# KiCad board RP2040-Breadstick.kicad_pcb (continued)
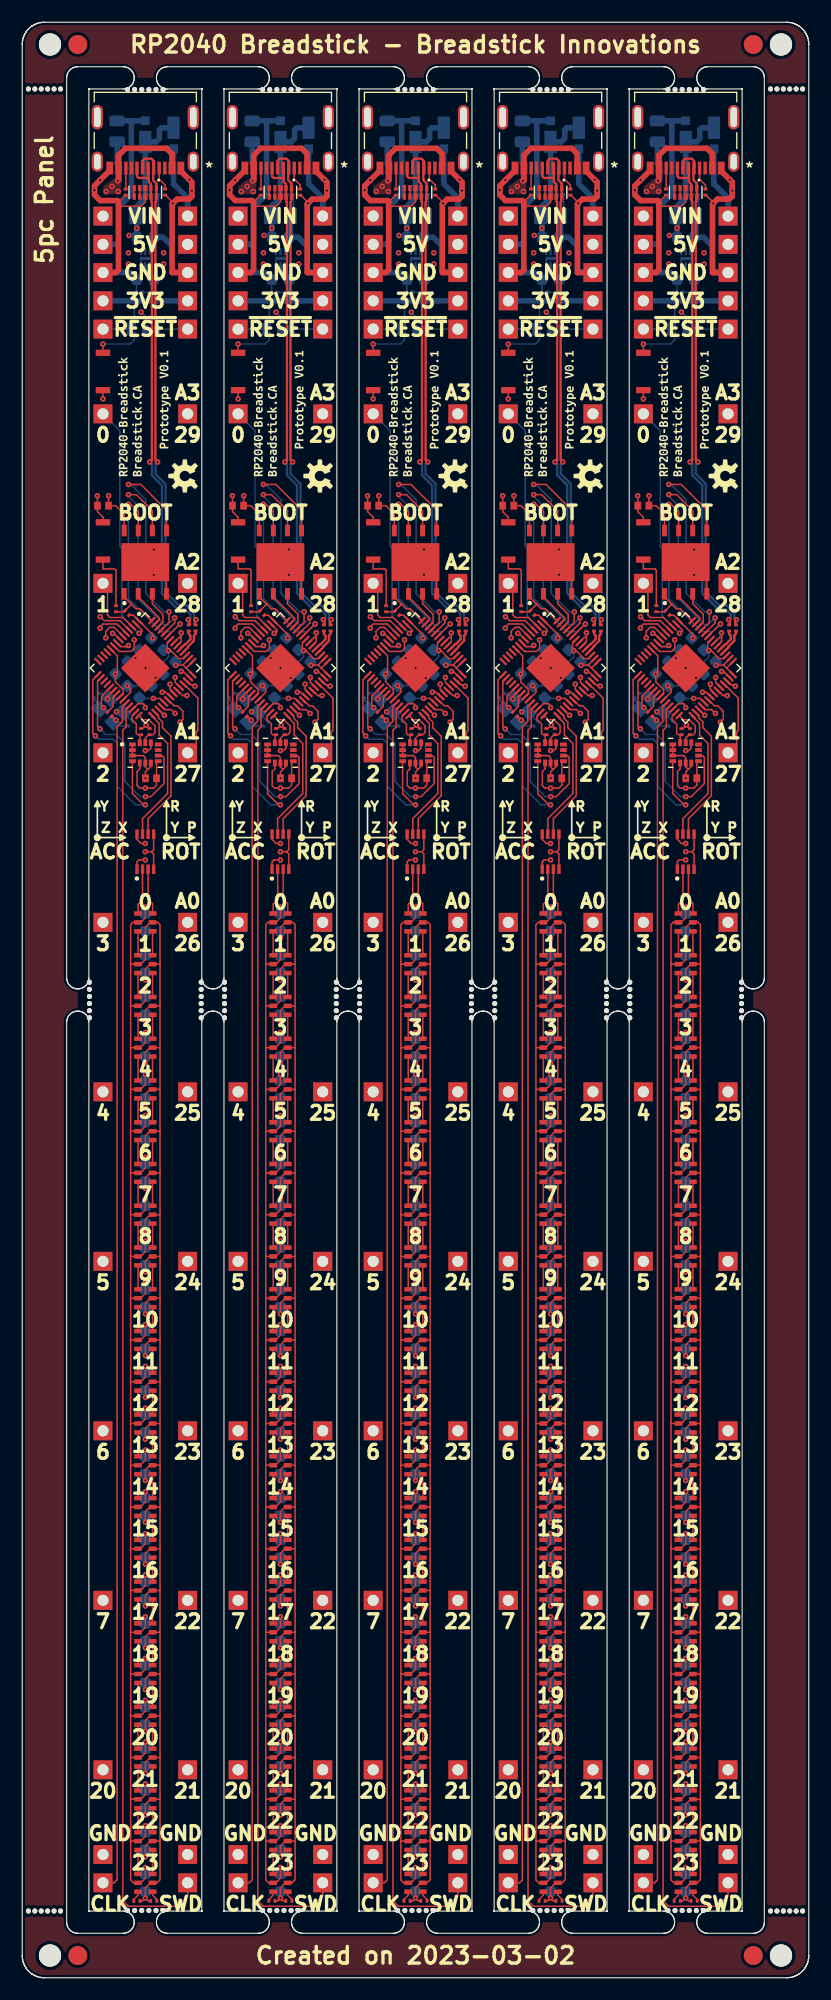
[diagram p0: board, top side]
## Library data of the parts (continued)
J201 J201#2-J201#5 J202 J202#2-J202#5 J203 J203#2-J203#5 J204 J204#2-J204#5 J205 J205#2-J205#5 J206 J206#2-J206#5 J207 J207#2-J207#5 J208 J208#2-J208#5 J209 J209#2-J209#5 J210 J210#2-J210#5 J211 J211#2-J211#5 J212 J212#2-J212#5 J213 J213#2-J213#5 J214 J214#2-J214#5 J215 J215#2-J215#5 J217 J217#2-J217#5 J218 J218#2-J218#5 J219 J219#2-J219#5 J220 J220#2-J220#5 J222 J222#2-J222#5 J223 J223#2-J223#5 J224 J224#2-J224#5 J501 J501#2-J501#5 J502 J502#2-J502#5 J503 J503#2-J503#5 J504 J504#2-J504#5 J505 J505#2-J505#5 J506 J506#2-J506#5 J507 J507#2-J507#5 J508 J508#2-J508#5 J509 J509#2-J509#5 J510 J510#2-J510#5 = -: JLCPCB P/N: C492400
J221 J221#2-J221#5 = -: Digikey: 900-2171790001DKR-ND; Field5: *; Field6: Copyright 2021 Accelerated Designs. All rights reserved.; Field7: *
LED301 LED301#2-LED301#5 LED302 LED302#2-LED302#5 LED303 LED303#2-LED303#5 LED304 LED304#2-LED304#5 LED305 LED305#2-LED305#5 LED306 LED306#2-LED306#5 LED307 LED307#2-LED307#5 LED308 LED308#2-LED308#5 LED309 LED309#2-LED309#5 LED310 LED310#2-LED310#5 LED311 LED311#2-LED311#5 LED312 LED312#2-LED312#5 LED313 LED313#2-LED313#5 LED314 LED314#2-LED314#5 LED315 LED315#2-LED315#5 LED316 LED316#2-LED316#5 LED317 LED317#2-LED317#5 LED318 LED318#2-LED318#5 LED319 LED319#2-LED319#5 LED320 LED320#2-LED320#5 LED321 LED321#2-LED321#5 LED322 LED322#2-LED322#5 LED323 LED323#2-LED323#5 LED324 LED324#2-LED324#5 = -: JLCPCB P/N: C2909059
R201 R201#2-R201#5 R204 R204#2-R204#5 R209 R209#2-R209#5 R210 R210#2-R210#5 R211 R211#2-R211#5 R501 R501#2-R501#5 R502 R502#2-R502#5 = -: Digikey: P122413DKR-ND
R202 R202#2-R202#5 R203 R203#2-R203#5 = -: Digikey: P122894DKR-ND
R205 R205#2-R205#5 R208 R208#2-R208#5 R304 R304#2-R304#5 R305 R305#2-R305#5 = -: Digikey: P122414DKR-ND
R206 R206#2-R206#5 R207 R207#2-R207#5 = -: Digikey: P123051DKR-ND
SW201 = -: Digikey: 2508-R-667995DKR-ND; Field6: 0.132in/3.353mm; Field7: 0.051in/1.295mm; Field8: 0.022in/0.559mm; Field9: 0in/0mm; Field10: Copyright 2021 Accelerated Designs. All rights reserved.; Field11: *
SW201#2 = -: Digikey: 2508-R-667995DKR-ND; Field6: Copyright 2021 Accelerated Designs. All rights reserved.; Field7: 0in/0mm; Field8: 0.051in/1.295mm; Field9: 0.132in/3.353mm; Field10: 0.022in/0.559mm; Field11: *
SW201#3 = -: Digikey: 2508-R-667995DKR-ND; Field6: 0in/0mm; Field7: 0.132in/3.353mm; Field8: 0.022in/0.559mm; Field9: 0.051in/1.295mm; Field10: Copyright 2021 Accelerated Designs. All rights reserved.; Field11: *
SW201#4 = -: Digikey: 2508-R-667995DKR-ND; Field6: 0.022in/0.559mm; Field7: 0.132in/3.353mm; Field8: 0in/0mm; Field9: Copyright 2021 Accelerated Designs. All rights reserved.; Field10: 0.051in/1.295mm; Field11: *
SW201#5 = -: Digikey: 2508-R-667995DKR-ND; Field6: 0.132in/3.353mm; Field7: 0in/0mm; Field8: 0.022in/0.559mm; Field9: 0.051in/1.295mm; Field10: Copyright 2021 Accelerated Designs. All rights reserved.; Field11: *
SW202 SW202#2-SW202#5 = -: Digikey: 2508-R-667995DKR-ND
U201 U201#2-U201#5 = -: Digikey: 2648-SC0914(7)TR-ND; JLCPCB P/N: C2040; MANUFACTURER: Raspberry Pi; MAXIMUM_PACKAGE_HEIGHT: 0.9 mm; PARTREV: 1.6.1; STANDARD: IPC 7351B
U202 U202#2-U202#5 = -: Digikey: 296-35765-6-ND; JLCPCB P/N: C138714; MANUFACTURER: Texas Instruments; STANDARD: Manufacturer Recommendation
U203 U203#2-U203#5 = -: Digikey: W25Q128JVPIQDKR-ND
U401 U401#2-U401#5 = -: Digikey: 497-16696-6-ND; MANUFACTURER: STMicroelectronics; MAXIMUM_PACKAGE_HEIGHT: 0.86 mm; PARTREV: Rev 7; STANDARD: IPC 7351B
U501 U501#2-U501#5 = -: A_MAX: 0.6; B_MAX: 0.23; B_MIN: 0.13; B_NOM: 0.18; D2_NOM: 0.94; D_MAX: 1.25; D_MIN: 1.15; D_NOM: 1.2; Digikey: 576-4766-6-ND; E2_NOM: 0.3; ENOM: 0.4; E_MAX: 1.25; E_MIN: 1.15; E_NOM: 1.2; L_MAX: 0.295; L_MIN: 0.195; L_NOM: 0.25; MANUFACTURER: MICROCHIP; PIN_COUNT: 6.0; SNAPEDA_PACKAGE_ID: 7814; STANDARD: IPC 7351B
Y201 Y201#2-Y201#5 = -: Digikey: XC2180DKR-ND

## Footprints (pads in the part's own frame, mm; a bottom-side part is the same pattern mirrored in y, then rotated)
74AXP2T45DCH
  rect 0.85x0.3 smd: 1(-1.575,0.75) 2(-1.575,0.25) 3(-1.575,-0.25) 4(-1.575,-0.75) 5(1.575,-0.75) 6(1.575,-0.25) 7(1.575,0.25) 8(1.575,0.75)
C_0603_1608Metric
  rrect 0.9x0.95 smd: 1(-0.775,0) 2(0.775,0)
CAPC2012X140N
  rect 1.15x1.45 smd: 1(-0.9,0) 2(0.9,0)
DIO_V2PM15HM3_H
  rect 2x1.1 smd: 1(-0.95,0)
  rect 0.8x0.8 smd: 2(0.95,0)
Fiducial
  round 1.7 smd: (0,0)
Fuse_0805_2012Metric
  rrect 0.975x1.4 smd: 1(-0.938,0) 2(0.938,0)
NPTH
  round 0.45 hole 0.45 unplated: (0,0)
NPTH#2
  round 2 hole 2 unplated: (0,0)
Perfect_0201_Cap
  rect 0.35x0.25 smd: 1(0,0.275) 2(0,-0.275)
Perfect_0201_Resistor
  rect 0.35x0.25 smd: 1(0,0.275) 2(0,-0.275)
Perfect_0402_Cap
  rect 0.7x0.6 smd: 1(0,-0.5) 2(0,0.5)
PinHeader_1x01_P2.54mm_Vertical
  rect 1.7x1.7 hole 1: 1(0,0)
PQFN50P300X250X86-14N
  rect 0.6x0.35 smd: 1(-1.16,0.75) 2(-1.16,0.25) 3(-1.16,-0.25) 4(-1.16,-0.75) 8(1.16,-0.75) 9(1.16,-0.25) 10(1.16,0.25) 11(1.16,0.75)
  rect 0.35x0.6 smd: 5(-0.5,-0.91) 6(0,-0.91) 7(0.5,-0.91) 12(0.5,0.91) 13(0,0.91) 14(-0.5,0.91)
QFN40P700X700X90-57N
  rrect 0.84x0.2 smd: 1(-3.435,2.6) 2(-3.435,2.2) 3(-3.435,1.8) 4(-3.435,1.4) 5(-3.435,1) 6(-3.435,0.6) 7(-3.435,0.2) 8(-3.435,-0.2) 9(-3.435,-0.6) 10(-3.435,-1) 11(-3.435,-1.4) 12(-3.435,-1.8) 13(-3.435,-2.2) 14(-3.435,-2.6) 29(3.435,-2.6) 30(3.435,-2.2) 31(3.435,-1.8) 32(3.435,-1.4) 33(3.435,-1) 34(3.435,-0.6) 35(3.435,-0.2) 36(3.435,0.2) 37(3.435,0.6) 38(3.435,1) 39(3.435,1.4) 40(3.435,1.8) 41(3.435,2.2) 42(3.435,2.6)
  rrect 0.2x0.84 smd: 15(-2.6,-3.435) 16(-2.2,-3.435) 17(-1.8,-3.435) 18(-1.4,-3.435) 19(-1,-3.435) 20(-0.6,-3.435) 21(-0.2,-3.435) 22(0.2,-3.435) 23(0.6,-3.435) 24(1,-3.435) 25(1.4,-3.435) 26(1.8,-3.435) 27(2.2,-3.435) 28(2.6,-3.435) 43(2.6,3.435) 44(2.2,3.435) 45(1.8,3.435) 46(1.4,3.435) 47(1,3.435) 48(0.6,3.435) 49(0.2,3.435) 50(-0.2,3.435) 51(-0.6,3.435) 52(-1,3.435) 53(-1.4,3.435) 54(-1.8,3.435) 55(-2.2,3.435) 56(-2.6,3.435)
  rect 3.1x3.1 smd: 57(0,0)
R-667995
  rect 0.559x1.295 smd: 1(-1.676,0) 2(1.676,0)
SK9822-2020
  rect 0.7x0.4 smd: 1(0,0) 2(0,-0.8) 3(0,-1.6) 4(1.3,-1.6) 5(1.3,-0.8) 6(1.3,0)
SON40P120X120X60-7N
  rrect 0.65x0.2 smd: 1(-0.625,0.4) 2(-0.625,0) 3(-0.625,-0.4) 4(0.625,-0.4) 5(0.625,0) 6(0.625,0.4)
  rect 0.3x0.94 smd: 7(0,0)
TI_TPD4E05U06DQAR
  rect 0.55x0.3 smd: 1(-0.385,1) 2(-0.385,0.5) 4(-0.385,-0.5) 5(-0.385,-1) 6(0.385,-1) 7(0.385,-0.5) 9(0.385,0.5) 10(0.385,1)
  rect 0.55x0.4 smd: 3(-0.385,0) 8(0.385,0)
USB-C-2171790001
  oval 1x2.2 hole 0.6x1.8: 13(-4.32,-1.272) 14(4.32,-1.272)
  oval 1x1.8 hole 0.6x1.4: 15(-4.32,2.728) 16(4.32,2.728)
  rect 0.61x1.143 smd: A1/B12(-3.2,3.303) A4/B9(-2.4,3.303) B1/A12(3.2,3.303) B4/A9(2.4,3.303)
  rect 0.305x1.143 smd: A5(-1.25,3.303) A6(-0.25,3.303) A7(0.25,3.303) A8(1.25,3.303) B5(1.75,3.303) B6(0.75,3.303) B7(-0.75,3.303) B8(-1.75,3.303)
W25Q128JVPIQ-TR
  rrect 1.04x0.44 smd: 1(-2.845,1.905) 2(-2.845,0.635) 3(-2.845,-0.635) 4(-2.845,-1.905) 5(2.845,-1.905) 6(2.845,-0.635) 7(2.845,0.635) 8(2.845,1.905)
  rect 3.4x4.3 smd: 9(0,0)
XTAL_ECS-120-10-36Q-ES-TR
  rect 1.2x1 smd: 1(-0.85,-0.65) 2(0.85,-0.65) 3(0.85,0.65) 4(-0.85,0.65)

## Nets
Board_0-/Power/5V4A: D502#2.2 F501.2 J503.1 J504#5.1
Board_1-/Power/5V4A: D502#5.2 F501#3.2 J503#4.1 J504#4.1
Board_2-/Power/5V4A: D502#4.2 F501#4.2 J503#5.1 J504#3.1
Board_3-/Power/5V4A: D502.2 F501#5.2 J503#3.1 J504.1
Board_4-/Power/5V4A: D502#3.2 F501#2.2 J503#2.1 J504#2.1
Board_0-3V3_LDO: C205#4.1 C206#2.1 C210#5.1 C211#5.1 C216#4.1 C401#3.1 C503#2.1 IC301#5.8 J507#3.1 J508#3.1 R205#3.1 R208#3.1 R209#5.2 R210#5.2 R502.2 U201#3.1 U201#3.10 U201#3.22 U201#3.33 U201#3.42 U201#3.43 U201#3.44 U201#3.48 U201#3.49 U203#2.8 U401.5 U401.8 U401.12 U501#4.1 U501#4.2
Board_0-+1V1: C202.1 C204#3.1 U201#3.23 U201#3.45 U201#3.50
Board_0-/Addressable RGB LEDs/CLK: IC301#5.2 LED301#3.4
Board_0-/Addressable RGB LEDs/DATA: IC301#5.3 LED301#3.3
Board_0-/RP2040/ADC0: J220.1 U201#3.38
Board_0-/RP2040/ADC1: J219#3.1 U201#3.39
Board_0-/RP2040/ADC2: J218#2.1 U201#3.40
Board_0-/RP2040/ADC3: J217#2.1 U201#3.41
Board_0-/RP2040/D0: J205#4.1 U201#3.2
Board_0-/RP2040/D1: J206.1 U201#3.3
Board_0-/RP2040/D2: J207#2.1 U201#3.4
Board_0-/RP2040/D3: J208.1 U201#3.5
Board_0-/RP2040/D4: J209#4.1 U201#3.6
Board_0-/RP2040/D5: J210#3.1 U201#3.7
Board_0-/RP2040/D6: J211.1 U201#3.8
Board_0-/RP2040/D7: J212#3.1 U201#3.9
Board_0-/RP2040/D20: J204#5.1 U201#3.31
Board_0-/RP2040/D21: J203#4.1 U201#3.32
Board_0-/RP2040/D22: J213#4.1 U201#3.34
Board_0-/RP2040/D23: J214#4.1 U201#3.35
Board_0-/RP2040/D24: J215#5.1 U201#3.36
Board_0-/RP2040/D25: J202#5.1 U201#3.37
Board_0-/RP2040/MCU_QSPI_CSN: R204#4.2 R205#3.2 U201#3.56 U203#2.1
Board_0-/RP2040/MCU_QSPI_SCLK: U201#3.52 U203#2.6
Board_0-/RP2040/MCU_QSPI_SD0: U201#3.53 U203#2.5
Board_0-/RP2040/MCU_QSPI_SD1: U201#3.55 U203#2.2
Board_0-/RP2040/MCU_QSPI_SD2: U201#3.54 U203#2.3
Board_0-/RP2040/MCU_QSPI_SD3: U201#3.51 U203#2.7
Board_0-/RP2040/MCU_USB_D+: R203#3.1 U201#3.47
Board_0-/RP2040/MCU_USB_D-: R202#4.1 U201#3.46
Board_0-/RP2040/USB_D+: J221.A6 J221.B6 R203#3.2 U202#4.2 U202#4.9
Board_0-/RP2040/USB_D-: J221.A7 J221.B7 R202#4.2 U202#4.1 U202#4.10
Board_0-/RP2040/~{RESET}: C207#4.1 J201#5.1 J222#3.1 R208#3.2 R211.2 U201#3.26
Board_0-GND: C201#3.2 C202.2 C203#5.2 C204#3.2 C205#4.2 C206#2.2 C207#4.2 C210#5.2 C211#5.2 C216#4.2 C303#3.2 C304.2 C305.2 C306#3.2 C307#5.2 C308#5.2 C309#3.2 C310#5.2 C311#2.2 C312#3.2 C313#4.2 C314.2 C315#2.2 C316#2.2 C317.2 C318.2 C319#5.2 C320#3.2 C321.2 C322.2 C323#3.2 C324.2 C325#4.2 C326#5.2 C401#3.2 C501#5.2 C502#4.2 C503#2.2 IC301#5.4 IC301#5.5 J221.A1/B12 J221.B1/A12 J505#5.1 J506.1 J509#5.1 J510#3.1 LED301#3.2 LED302#3.2 LED303.2 LED304#4.2 LED305.2 LED306#3.2 LED307.2 LED308#2.2 LED309#3.2 LED310#3.2 LED311.2 LED312#5.2 LED313#4.2 LED314#4.2 LED315#5.2 LED316#2.2 LED317#4.2 LED318#2.2 LED319.2 LED320#5.2 LED321#3.2 LED322#4.2 LED323.2 LED324#3.2 R206.2 R207#3.2 R304#2.2 R305#2.2 R501#5.1 R502.1 SW201#3.1 SW202#4.1 U201#3.19 U201#3.57 U202#4.3 U202#4.8 U203#2.4 U203#2.9 U401.1 U401.2 U401.3 U401.6 U401.7 U501#4.3 U501#4.7 Y201#3.2 Y201#3.4
Board_0-IMU_INT1: U201#3.15 U401.4
Board_0-IMU_INT2: U201#3.16 U401.9
Board_0-IMU_SCL: R210#5.1 U201#3.28 U401.13
Board_0-IMU_SDA: R209#5.1 U201#3.27 U401.14
Board_0-LED_CLK: IC301#5.7 U201#3.29
Board_0-LED_DATA: IC301#5.6 U201#3.30
Board_0-Net-(C201-Pad1): C201#3.1 U201#3.20 Y201#3.1
Board_0-Net-(C203-Pad1): C203#5.1 R201#4.1 Y201#3.3
Board_0-Net-(J221-PadA5): J221.A5 R207#3.1
Board_0-Net-(J221-PadB5): J221.B5 R206.1
Board_0-Net-(LED301-Pad1): LED301#3.1 LED302#3.3
Board_0-Net-(LED301-Pad6): LED301#3.6 LED302#3.4
Board_0-Net-(LED302-Pad1): LED302#3.1 LED303.3
Board_0-Net-(LED302-Pad6): LED302#3.6 LED303.4
Board_0-Net-(LED303-Pad1): LED303.1 LED304#4.3
Board_0-Net-(LED303-Pad6): LED303.6 LED304#4.4
Board_0-Net-(LED304-Pad1): LED304#4.1 LED305.3
Board_0-Net-(LED304-Pad6): LED304#4.6 LED305.4
Board_0-Net-(LED305-Pad1): LED305.1 LED306#3.3
Board_0-Net-(LED305-Pad6): LED305.6 LED306#3.4
Board_0-Net-(LED306-Pad1): LED306#3.1 LED307.3
Board_0-Net-(LED306-Pad6): LED306#3.6 LED307.4
Board_0-Net-(LED307-Pad1): LED307.1 LED308#2.3
Board_0-Net-(LED307-Pad6): LED307.6 LED308#2.4
Board_0-Net-(LED308-Pad1): LED308#2.1 LED309#3.3
Board_0-Net-(LED308-Pad6): LED308#2.6 LED309#3.4
Board_0-Net-(LED309-Pad1): LED309#3.1 LED310#3.3
Board_0-Net-(LED309-Pad6): LED309#3.6 LED310#3.4
Board_0-Net-(LED310-Pad1): LED310#3.1 LED311.3
Board_0-Net-(LED310-Pad6): LED310#3.6 LED311.4
Board_0-Net-(LED311-Pad1): LED311.1 LED312#5.3
Board_0-Net-(LED311-Pad6): LED311.6 LED312#5.4
Board_0-Net-(LED312-Pad1): LED312#5.1 LED313#4.3
Board_0-Net-(LED312-Pad6): LED312#5.6 LED313#4.4
Board_0-Net-(LED313-Pad1): LED313#4.1 LED314#4.3
Board_0-Net-(LED313-Pad6): LED313#4.6 LED314#4.4
Board_0-Net-(LED314-Pad1): LED314#4.1 LED315#5.3
Board_0-Net-(LED314-Pad6): LED314#4.6 LED315#5.4
Board_0-Net-(LED315-Pad1): LED315#5.1 LED316#2.3
Board_0-Net-(LED315-Pad6): LED315#5.6 LED316#2.4
Board_0-Net-(LED316-Pad1): LED316#2.1 LED317#4.3
Board_0-Net-(LED316-Pad6): LED316#2.6 LED317#4.4
Board_0-Net-(LED317-Pad1): LED317#4.1 LED318#2.3
Board_0-Net-(LED317-Pad6): LED317#4.6 LED318#2.4
Board_0-Net-(LED318-Pad1): LED318#2.1 LED319.3
Board_0-Net-(LED318-Pad6): LED318#2.6 LED319.4
Board_0-Net-(LED319-Pad1): LED319.1 LED320#5.3
Board_0-Net-(LED319-Pad6): LED319.6 LED320#5.4
Board_0-Net-(LED320-Pad1): LED320#5.1 LED321#3.3
Board_0-Net-(LED320-Pad6): LED320#5.6 LED321#3.4
Board_0-Net-(LED321-Pad1): LED321#3.1 LED322#4.3
Board_0-Net-(LED321-Pad6): LED321#3.6 LED322#4.4
Board_0-Net-(LED322-Pad1): LED322#4.1 LED323.3
Board_0-Net-(LED322-Pad6): LED322#4.6 LED323.4
Board_0-Net-(LED323-Pad1): LED323.1 LED324#3.3
Board_0-Net-(LED323-Pad6): LED323.6 LED324#3.4
Board_0-Net-(LED324-Pad1): LED324#3.1 R305#2.1
Board_0-Net-(LED324-Pad6): LED324#3.6 R304#2.1
Board_0-Net-(R201-Pad2): R201#4.2 U201#3.21
Board_0-Net-(R204-Pad1): R204#4.1 SW201#3.2
Board_0-Net-(R211-Pad1): R211.1 SW202#4.2
Board_0-Net-(U202-Pad4): U202#4.4 U202#4.7
Board_0-Net-(U202-Pad5): U202#4.5 U202#4.6
Board_0-SWCLK: J223.1 U201#3.24
Board_0-SWD: J224#4.1 U201#3.25
Board_0-unconnected-(J221-PadA8): J221.A8
Board_0-unconnected-(J221-PadB8): J221.B8
Board_0-unconnected-(U201-Pad11): U201#3.11
Board_0-unconnected-(U201-Pad12): U201#3.12
Board_0-unconnected-(U201-Pad13): U201#3.13
Board_0-unconnected-(U201-Pad14): U201#3.14
Board_0-unconnected-(U201-Pad17): U201#3.17
Board_0-unconnected-(U201-Pad18): U201#3.18
Board_0-unconnected-(U401-Pad10): U401.10
Board_0-unconnected-(U401-Pad11): U401.11
Board_0-VBUS: F501.1 J221.A4/B9 J221.B4/A9
Board_0-VHI: C303#3.1 C304.1 C305.1 C306#3.1 C307#5.1 C308#5.1 C309#3.1 C310#5.1 C311#2.1 C312#3.1 C313#4.1 C314.1 C315#2.1 C316#2.1 C317.1 C318.1 C319#5.1 C320#3.1 C321.1 C322.1 C323#3.1 C324.1 C325#4.1 C326#5.1 C501#5.1 C502#4.1 D501#5.1 D502#2.1 IC301#5.1 LED301#3.5 LED302#3.5 LED303.5 LED304#4.5 LED305.5 LED306#3.5 LED307.5 LED308#2.5 LED309#3.5 LED310#3.5 LED311.5 LED312#5.5 LED313#4.5 LED314#4.5 LED315#5.5 LED316#2.5 LED317#4.5 LED318#2.5 LED319.5 LED320#5.5 LED321#3.5 LED322#4.5 LED323.5 LED324#3.5 R501#5.2 U501#4.4 U501#4.5 U501#4.6
Board_0-VIN: D501#5.2 J501#3.1 J502.1
Board_1-3V3_LDO: C205.1 C206#3.1 C210#2.1 C211#2.1 C216.1 C401#2.1 C503#3.1 IC301#3.8 J507#4.1 J508.1 R205#5.1 R208#2.1 R209#2.2 R210.2 R502#4.2 U201#5.1 U201#5.10 U201#5.22 U201#5.33 U201#5.42 U201#5.43 U201#5.44 U201#5.48 U201#5.49 U203.8 U401#5.5 U401#5.8 U401#5.12 U501#3.1 U501#3.2
Board_1-+1V1: C202#2.1 C204.1 U201#5.23 U201#5.45 U201#5.50
Board_1-/Addressable RGB LEDs/CLK: IC301#3.2 LED301#5.4
Board_1-/Addressable RGB LEDs/DATA: IC301#3.3 LED301#5.3
Board_1-/RP2040/ADC0: J220#4.1 U201#5.38
Board_1-/RP2040/ADC1: J219#5.1 U201#5.39
Board_1-/RP2040/ADC2: J218#5.1 U201#5.40
Board_1-/RP2040/ADC3: J217#3.1 U201#5.41
Board_1-/RP2040/D0: J205#2.1 U201#5.2
Board_1-/RP2040/D1: J206#3.1 U201#5.3
Board_1-/RP2040/D2: J207.1 U201#5.4
Board_1-/RP2040/D3: J208#4.1 U201#5.5
Board_1-/RP2040/D4: J209#2.1 U201#5.6
Board_1-/RP2040/D5: J210.1 U201#5.7
Board_1-/RP2040/D6: J211#4.1 U201#5.8
Board_1-/RP2040/D7: J212.1 U201#5.9
Board_1-/RP2040/D20: J204.1 U201#5.31
Board_1-/RP2040/D21: J203#2.1 U201#5.32
Board_1-/RP2040/D22: J213#5.1 U201#5.34
Board_1-/RP2040/D23: J214.1 U201#5.35
Board_1-/RP2040/D24: J215#2.1 U201#5.36
Board_1-/RP2040/D25: J202#3.1 U201#5.37
Board_1-/RP2040/MCU_QSPI_CSN: R204.2 R205#5.2 U201#5.56 U203.1
Board_1-/RP2040/MCU_QSPI_SCLK: U201#5.52 U203.6
Board_1-/RP2040/MCU_QSPI_SD0: U201#5.53 U203.5
Board_1-/RP2040/MCU_QSPI_SD1: U201#5.55 U203.2
Board_1-/RP2040/MCU_QSPI_SD2: U201#5.54 U203.3
Board_1-/RP2040/MCU_QSPI_SD3: U201#5.51 U203.7
Board_1-/RP2040/MCU_USB_D+: R203#5.1 U201#5.47
Board_1-/RP2040/MCU_USB_D-: R202#2.1 U201#5.46
Board_1-/RP2040/USB_D+: J221#2.A6 J221#2.B6 R203#5.2 U202#2.2 U202#2.9
Board_1-/RP2040/USB_D-: J221#2.A7 J221#2.B7 R202#2.2 U202#2.1 U202#2.10
Board_1-/RP2040/~{RESET}: C207#2.1 J201#3.1 J222#4.1 R208#2.2 R211#2.2 U201#5.26
Board_1-GND: C201#2.2 C202#2.2 C203#3.2 C204.2 C205.2 C206#3.2 C207#2.2 C210#2.2 C211#2.2 C216.2 C303#5.2 C304#5.2 C305#2.2 C306#4.2 C307#3.2 C308#3.2 C309#2.2 C310#3.2 C311#4.2 C312#4.2 C313#5.2 C314#4.2 C315.2 C316#4.2 C317#4.2 C318#4.2 C319#2.2 C320#5.2 C321#5.2 C322#3.2 C323#2.2 C324#3.2 C325#3.2 C326#4.2 C401#2.2 C501.2 C502#5.2 C503#3.2 IC301#3.4 IC301#3.5 J221#2.A1/B12 J221#2.B1/A12 J505#4.1 J506#3.1 J509.1 J510#4.1 LED301#5.2 LED302#5.2 LED303#3.2 LED304#5.2 LED305#4.2 LED306.2 LED307#4.2 LED308#3.2 LED309#4.2 LED310#4.2 LED311#5.2 LED312#2.2 LED313.2 LED314#3.2 LED315.2 LED316.2 LED317#3.2 LED318#3.2 LED319#3.2 LED320#3.2 LED321#4.2 LED322#5.2 LED323#4.2 LED324#4.2 R206#3.2 R207.2 R304.2 R305#3.2 R501#4.1 R502#4.1 SW201.1 SW202#3.1 U201#5.19 U201#5.57 U202#2.3 U202#2.8 U203.4 U203.9 U401#5.1 U401#5.2 U401#5.3 U401#5.6 U401#5.7 U501#3.3 U501#3.7 Y201.2 Y201.4
Board_1-IMU_INT1: U201#5.15 U401#5.4
Board_1-IMU_INT2: U201#5.16 U401#5.9
Board_1-IMU_SCL: R210.1 U201#5.28 U401#5.13
Board_1-IMU_SDA: R209#2.1 U201#5.27 U401#5.14
Board_1-LED_CLK: IC301#3.7 U201#5.29
Board_1-LED_DATA: IC301#3.6 U201#5.30
Board_1-Net-(C201-Pad1): C201#2.1 U201#5.20 Y201.1
Board_1-Net-(C203-Pad1): C203#3.1 R201#3.1 Y201.3
Board_1-Net-(J221-PadA5): J221#2.A5 R207.1
Board_1-Net-(J221-PadB5): J221#2.B5 R206#3.1
Board_1-Net-(LED301-Pad1): LED301#5.1 LED302#5.3
Board_1-Net-(LED301-Pad6): LED301#5.6 LED302#5.4
Board_1-Net-(LED302-Pad1): LED302#5.1 LED303#3.3
Board_1-Net-(LED302-Pad6): LED302#5.6 LED303#3.4
Board_1-Net-(LED303-Pad1): LED303#3.1 LED304#5.3
Board_1-Net-(LED303-Pad6): LED303#3.6 LED304#5.4
Board_1-Net-(LED304-Pad1): LED304#5.1 LED305#4.3
Board_1-Net-(LED304-Pad6): LED304#5.6 LED305#4.4
Board_1-Net-(LED305-Pad1): LED305#4.1 LED306.3
Board_1-Net-(LED305-Pad6): LED305#4.6 LED306.4
Board_1-Net-(LED306-Pad1): LED306.1 LED307#4.3
Board_1-Net-(LED306-Pad6): LED306.6 LED307#4.4
Board_1-Net-(LED307-Pad1): LED307#4.1 LED308#3.3
Board_1-Net-(LED307-Pad6): LED307#4.6 LED308#3.4
Board_1-Net-(LED308-Pad1): LED308#3.1 LED309#4.3
Board_1-Net-(LED308-Pad6): LED308#3.6 LED309#4.4
Board_1-Net-(LED309-Pad1): LED309#4.1 LED310#4.3
Board_1-Net-(LED309-Pad6): LED309#4.6 LED310#4.4
Board_1-Net-(LED310-Pad1): LED310#4.1 LED311#5.3
Board_1-Net-(LED310-Pad6): LED310#4.6 LED311#5.4
Board_1-Net-(LED311-Pad1): LED311#5.1 LED312#2.3
Board_1-Net-(LED311-Pad6): LED311#5.6 LED312#2.4
Board_1-Net-(LED312-Pad1): LED312#2.1 LED313.3
Board_1-Net-(LED312-Pad6): LED312#2.6 LED313.4
Board_1-Net-(LED313-Pad1): LED313.1 LED314#3.3
Board_1-Net-(LED313-Pad6): LED313.6 LED314#3.4
Board_1-Net-(LED314-Pad1): LED314#3.1 LED315.3
Board_1-Net-(LED314-Pad6): LED314#3.6 LED315.4
Board_1-Net-(LED315-Pad1): LED315.1 LED316.3
Board_1-Net-(LED315-Pad6): LED315.6 LED316.4
Board_1-Net-(LED316-Pad1): LED316.1 LED317#3.3
Board_1-Net-(LED316-Pad6): LED316.6 LED317#3.4
Board_1-Net-(LED317-Pad1): LED317#3.1 LED318#3.3
Board_1-Net-(LED317-Pad6): LED317#3.6 LED318#3.4
Board_1-Net-(LED318-Pad1): LED318#3.1 LED319#3.3
Board_1-Net-(LED318-Pad6): LED318#3.6 LED319#3.4
Board_1-Net-(LED319-Pad1): LED319#3.1 LED320#3.3
Board_1-Net-(LED319-Pad6): LED319#3.6 LED320#3.4
Board_1-Net-(LED320-Pad1): LED320#3.1 LED321#4.3
Board_1-Net-(LED320-Pad6): LED320#3.6 LED321#4.4
Board_1-Net-(LED321-Pad1): LED321#4.1 LED322#5.3
Board_1-Net-(LED321-Pad6): LED321#4.6 LED322#5.4
Board_1-Net-(LED322-Pad1): LED322#5.1 LED323#4.3
Board_1-Net-(LED322-Pad6): LED322#5.6 LED323#4.4
Board_1-Net-(LED323-Pad1): LED323#4.1 LED324#4.3
Board_1-Net-(LED323-Pad6): LED323#4.6 LED324#4.4
Board_1-Net-(LED324-Pad1): LED324#4.1 R305#3.1
Board_1-Net-(LED324-Pad6): LED324#4.6 R304.1
Board_1-Net-(R201-Pad2): R201#3.2 U201#5.21
Board_1-Net-(R204-Pad1): R204.1 SW201.2
Board_1-Net-(R211-Pad1): R211#2.1 SW202#3.2
Board_1-Net-(U202-Pad4): U202#2.4 U202#2.7
Board_1-Net-(U202-Pad5): U202#2.5 U202#2.6
Board_1-SWCLK: J223#2.1 U201#5.24
Board_1-SWD: J224.1 U201#5.25
Board_1-unconnected-(J221-PadA8): J221#2.A8
Board_1-unconnected-(J221-PadB8): J221#2.B8
Board_1-unconnected-(U201-Pad11): U201#5.11
Board_1-unconnected-(U201-Pad12): U201#5.12
Board_1-unconnected-(U201-Pad13): U201#5.13
Board_1-unconnected-(U201-Pad14): U201#5.14
Board_1-unconnected-(U201-Pad17): U201#5.17
Board_1-unconnected-(U201-Pad18): U201#5.18
Board_1-unconnected-(U401-Pad10): U401#5.10
Board_1-unconnected-(U401-Pad11): U401#5.11
Board_1-VBUS: F501#3.1 J221#2.A4/B9 J221#2.B4/A9
Board_1-VHI: C303#5.1 C304#5.1 C305#2.1 C306#4.1 C307#3.1 C308#3.1 C309#2.1 C310#3.1 C311#4.1 C312#4.1 C313#5.1 C314#4.1 C315.1 C316#4.1 C317#4.1 C318#4.1 C319#2.1 C320#5.1 C321#5.1 C322#3.1 C323#2.1 C324#3.1 C325#3.1 C326#4.1 C501.1 C502#5.1 D501#4.1 D502#5.1 IC301#3.1 LED301#5.5 LED302#5.5 LED303#3.5 LED304#5.5 LED305#4.5 LED306.5 LED307#4.5 LED308#3.5 LED309#4.5 LED310#4.5 LED311#5.5 LED312#2.5 LED313.5 LED314#3.5 LED315.5 LED316.5 LED317#3.5 LED318#3.5 LED319#3.5 LED320#3.5 LED321#4.5 LED322#5.5 LED323#4.5 LED324#4.5 R501#4.2 U501#3.4 U501#3.5 U501#3.6
Board_1-VIN: D501#4.2 J501.1 J502#2.1
Board_2-3V3_LDO: C205#5.1 C206#4.1 C210#4.1 C211.1 C216#3.1 C401#4.1 C503#5.1 IC301#2.8 J507#2.1 J508#5.1 R205.1 R208.1 R209#3.2 R210#3.2 R502#5.2 U201#2.1 U201#2.10 U201#2.22 U201#2.33 U201#2.42 U201#2.43 U201#2.44 U201#2.48 U201#2.49 U203#4.8 U401#4.5 U401#4.8 U401#4.12 U501#2.1 U501#2.2
Board_2-+1V1: C202#5.1 C204#2.1 U201#2.23 U201#2.45 U201#2.50
Board_2-/Addressable RGB LEDs/CLK: IC301#2.2 LED301#4.4
Board_2-/Addressable RGB LEDs/DATA: IC301#2.3 LED301#4.3
Board_2-/RP2040/ADC0: J220#3.1 U201#2.38
Board_2-/RP2040/ADC1: J219#4.1 U201#2.39
Board_2-/RP2040/ADC2: J218.1 U201#2.40
Board_2-/RP2040/ADC3: J217#5.1 U201#2.41
Board_2-/RP2040/D0: J205.1 U201#2.2
Board_2-/RP2040/D1: J206#2.1 U201#2.3
Board_2-/RP2040/D2: J207#4.1 U201#2.4
Board_2-/RP2040/D3: J208#3.1 U201#2.5
Board_2-/RP2040/D4: J209#5.1 U201#2.6
Board_2-/RP2040/D5: J210#5.1 U201#2.7
Board_2-/RP2040/D6: J211#3.1 U201#2.8
Board_2-/RP2040/D7: J212#5.1 U201#2.9
Board_2-/RP2040/D20: J204#4.1 U201#2.31
Board_2-/RP2040/D21: J203#5.1 U201#2.32
Board_2-/RP2040/D22: J213.1 U201#2.34
Board_2-/RP2040/D23: J214#5.1 U201#2.35
Board_2-/RP2040/D24: J215.1 U201#2.36
Board_2-/RP2040/D25: J202#4.1 U201#2.37
Board_2-/RP2040/MCU_QSPI_CSN: R204#3.2 R205.2 U201#2.56 U203#4.1
Board_2-/RP2040/MCU_QSPI_SCLK: U201#2.52 U203#4.6
Board_2-/RP2040/MCU_QSPI_SD0: U201#2.53 U203#4.5
Board_2-/RP2040/MCU_QSPI_SD1: U201#2.55 U203#4.2
Board_2-/RP2040/MCU_QSPI_SD2: U201#2.54 U203#4.3
Board_2-/RP2040/MCU_QSPI_SD3: U201#2.51 U203#4.7
Board_2-/RP2040/MCU_USB_D+: R203.1 U201#2.47
Board_2-/RP2040/MCU_USB_D-: R202#3.1 U201#2.46
Board_2-/RP2040/USB_D+: J221#3.A6 J221#3.B6 R203.2 U202.2 U202.9
Board_2-/RP2040/USB_D-: J221#3.A7 J221#3.B7 R202#3.2 U202.1 U202.10
Board_2-/RP2040/~{RESET}: C207#5.1 J201#4.1 J222.1 R208.2 R211#3.2 U201#2.26
Board_2-GND: C201.2 C202#5.2 C203.2 C204#2.2 C205#5.2 C206#4.2 C207#5.2 C210#4.2 C211.2 C216#3.2 C303#4.2 C304#4.2 C305#5.2 C306.2 C307.2 C308#2.2 C309#4.2 C310#2.2 C311#5.2 C312.2 C313#3.2 C314#5.2 C315#5.2 C316#3.2 C317#5.2 C318#3.2 C319#3.2 C320.2 C321#3.2 C322#5.2 C323#5.2 C324#2.2 C325#5.2 C326#3.2 C401#4.2 C501#2.2 C502#3.2 C503#5.2 IC301#2.4 IC301#2.5 J221#3.A1/B12 J221#3.B1/A12 J505.1 J506#5.1 J509#2.1 J510.1 LED301#4.2 LED302#4.2 LED303#2.2 LED304.2 LED305#3.2 LED306#2.2 LED307#2.2 LED308#4.2 LED309#5.2 LED310#2.2 LED311#2.2 LED312.2 LED313#5.2 LED314#5.2 LED315#2.2 LED316#5.2 LED317#2.2 LED318#5.2 LED319#4.2 LED320.2 LED321#2.2 LED322.2 LED323#2.2 LED324.2 R206#4.2 R207#5.2 R304#5.2 R305.2 R501.1 R502#5.1 SW201#2.1 SW202#2.1 U201#2.19 U201#2.57 U202.3 U202.8 U203#4.4 U203#4.9 U401#4.1 U401#4.2 U401#4.3 U401#4.6 U401#4.7 U501#2.3 U501#2.7 Y201#5.2 Y201#5.4
Board_2-IMU_INT1: U201#2.15 U401#4.4
Board_2-IMU_INT2: U201#2.16 U401#4.9
Board_2-IMU_SCL: R210#3.1 U201#2.28 U401#4.13
Board_2-IMU_SDA: R209#3.1 U201#2.27 U401#4.14
Board_2-LED_CLK: IC301#2.7 U201#2.29
Board_2-LED_DATA: IC301#2.6 U201#2.30
Board_2-Net-(C201-Pad1): C201.1 U201#2.20 Y201#5.1
Board_2-Net-(C203-Pad1): C203.1 R201.1 Y201#5.3
Board_2-Net-(J221-PadA5): J221#3.A5 R207#5.1
Board_2-Net-(J221-PadB5): J221#3.B5 R206#4.1
Board_2-Net-(LED301-Pad1): LED301#4.1 LED302#4.3
Board_2-Net-(LED301-Pad6): LED301#4.6 LED302#4.4
Board_2-Net-(LED302-Pad1): LED302#4.1 LED303#2.3
Board_2-Net-(LED302-Pad6): LED302#4.6 LED303#2.4
Board_2-Net-(LED303-Pad1): LED303#2.1 LED304.3
Board_2-Net-(LED303-Pad6): LED303#2.6 LED304.4
Board_2-Net-(LED304-Pad1): LED304.1 LED305#3.3
Board_2-Net-(LED304-Pad6): LED304.6 LED305#3.4
Board_2-Net-(LED305-Pad1): LED305#3.1 LED306#2.3
Board_2-Net-(LED305-Pad6): LED305#3.6 LED306#2.4
Board_2-Net-(LED306-Pad1): LED306#2.1 LED307#2.3
Board_2-Net-(LED306-Pad6): LED306#2.6 LED307#2.4
Board_2-Net-(LED307-Pad1): LED307#2.1 LED308#4.3
Board_2-Net-(LED307-Pad6): LED307#2.6 LED308#4.4
Board_2-Net-(LED308-Pad1): LED308#4.1 LED309#5.3
Board_2-Net-(LED308-Pad6): LED308#4.6 LED309#5.4
Board_2-Net-(LED309-Pad1): LED309#5.1 LED310#2.3
Board_2-Net-(LED309-Pad6): LED309#5.6 LED310#2.4
Board_2-Net-(LED310-Pad1): LED310#2.1 LED311#2.3
Board_2-Net-(LED310-Pad6): LED310#2.6 LED311#2.4
Board_2-Net-(LED311-Pad1): LED311#2.1 LED312.3
Board_2-Net-(LED311-Pad6): LED311#2.6 LED312.4
Board_2-Net-(LED312-Pad1): LED312.1 LED313#5.3